# Altium PCB pcb-ash-power.PcbDoc (part 4 of 6) (continued)
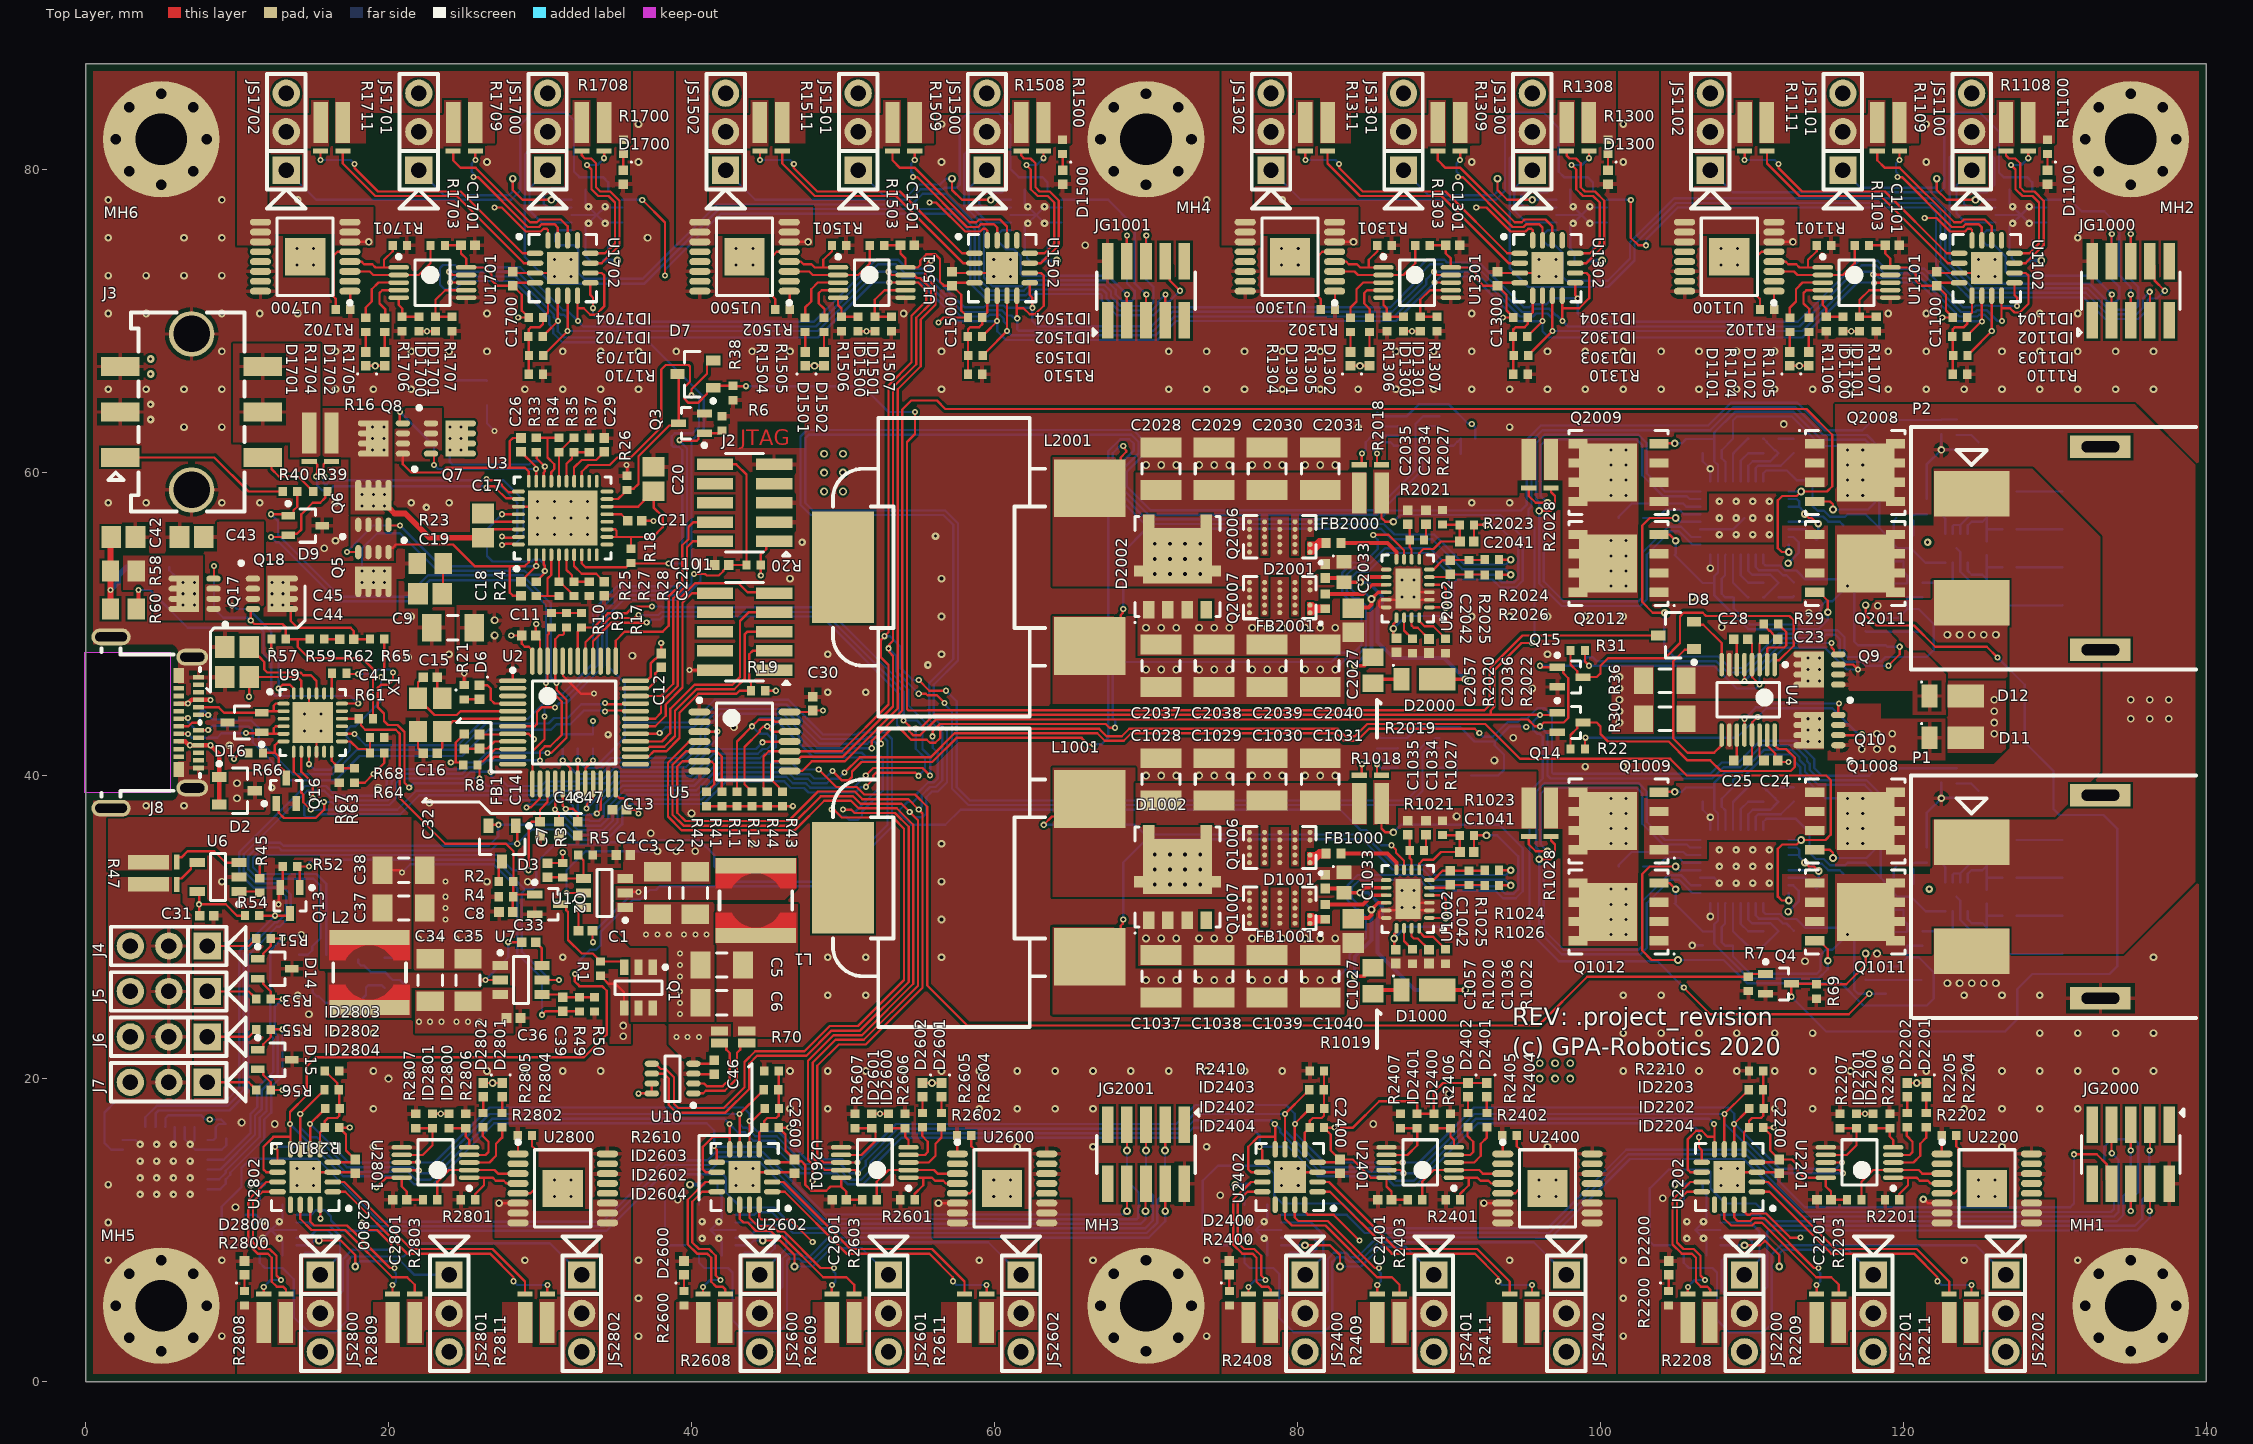
[diagram p0: Top Layer view]
## Nets (pads, with @x,y where several pads share a name; then routed paths per layer and width w, separated by ;. In a path a pad name is that pad's centre, name@x,y a point inside that pad or via, vN(x,y) a via of type N, cw(c..) or ccw(c..) an arc to the next point about the centre after c; other vN are vias at no path point) (continued)
  Top Layer w0.152: Q17.4@8.45,52.999 8.481,53.03 v2(8.481,53.823) ; Q18.4@11.088,50.963 Q18.4@11.05,51.001 11.022,51.001 10.908,50.887 v2(10.908,50.231) 11.139,50 13,50 13.225,49.775 R57.1@13.225,49 14,49 ; R59.1@14.8,49 14,49 ; R61.2@18.975,43.75 18.975,47.025 18.25,47.75 14.75,47.75 14,48.5 14,49
  Bottom Layer w0.152: v2(8.481,53.823) 8.481,51.019 9.088,50.412 10.692,50.412 10.872,50.231 v2(10.908,50.231)
NetR24_1: R24.1 R25.2 U3.4 | length 4.3
  Top Layer w0.152: R24.1@29.75,51.85 30.5,51.85 ; U3.4@30.75,54.575 30.75,53.25 30.5,53 30.5,51.85 ; R25.2@31.25,51.85 30.5,51.85
NetR25_1: R25.1 R27.2 U3.5 | length 3.2
  Top Layer w0.152: U3.5@31.25,54.575 R25.1@31.25,52.8 31.449,52.601 31.499,52.601 32.026,52.074 32.026,52.049 32.225,51.85 R27.2@32.25,51.85
NetR27_1: R27.1 R28.2 U3.6 | length 3
  Top Layer w0.152: U3.6@31.75,54.575 31.75,53.575 32.111,53.214 32.111,52.939 R27.1@32.25,52.8 R28.2@33.25,52.8
NetR29_2: R29.2 U4.2 | length 4
  Top Layer w0.152: U4.2@111,47.325 111,48.362 111.089,48.451 112.125,48.451 112.259,48.585 112.259,49.466 111.949,49.776 111.924,49.776 111.725,49.975 R29.2@111.725,50
NetR33_1: R33.1 R34.2 U3.25 | length 4.6
  Top Layer w0.152: R33.1@29.75,62.3 30.5,62.3 ; U3.25@30.75,59.425 30.75,60.038 30.945,60.233 30.945,60.555 30.5,61 30.5,62.3 ; R34.2@31.25,62.3 30.5,62.3
NetR34_1: R34.1 R35.2 U3.24 | length 3.3
  Top Layer w0.152: U3.24@31.25,59.425 R34.1@31.25,61.35 31.275,61.35 31.474,61.549 31.474,61.574 32.001,62.101 32.051,62.101 R35.2@32.25,62.3
NetR35_1: R35.1 R37.2 U3.23 | length 3.1
  Top Layer w0.152: U3.23@31.75,59.425 31.75,60.575 32.111,60.936 32.111,61.211 R35.1@32.25,61.35 R37.2@33.25,61.35
NetR45_1: R45.1 U6.1 | length 1.4
  Top Layer w0.152: U6.1@10.125,32.35 11.425,32.35 R45.1@11.5,32.275
NetR47_3: R47.3 U6.3 | length 4.8
  Top Layer w0.152: R47.3@6.024,34.285 6.024,34.501 6.123,34.599 6.338,34.599 6.739,35 8.5,35 9.25,34.25 U6.3@10.125,34.25
NetR47_4: R47.4 U6.4 | length 2.2
  Top Layer w0.152: R47.4@6.025,32.815 6.025,33.105 6.124,33.204 6.329,33.204 6.966,33.841 6.966,34.026 7.19,34.25 U6.4@7.375,34.25
NetR63_2: R63.2 R67.2 U9.12 | length 2.3
  Top Layer w0.152: U9.12@16.25,41.575 16.25,40.975 16.526,40.699 16.526,40.674 16.725,40.475 R67.2@16.75,40.475 R63.2@17.75,40.475
NetR64_2: R64.2 R68.2 U9.13 | length 3.2
  Top Layer w0.152: U9.13@16.925,42.25 17.5,42.25 18,41.75 18.525,41.75 18.551,41.724 18.576,41.724 R64.2@18.775,41.525 ; R64.2@18.775,41.5 R64.2@18.775,41.525 ; R68.2@18.775,42.5 R64.2@18.775,41.525
NetR65_1: R65.1 U9.19 | length 1.3
  Top Layer w0.152: U9.19@16.25,45.425 16.25,46.725 R65.1@16.275,46.75
NetR70_3: R70.3 U10.2 | length 5.5
  Top Layer w0.152: U10.2@40.125,19.675 40.825,19.675 41,19.5 42.069,19.5 42.52,19.951 42.52,21.68 42.289,21.911 42.289,22.126 42.066,22.35 R70.3@41.85,22.35
NetR70_4: R70.4 U10.1 | length 6
  Top Layer w0.152: U10.1@40.125,19.025 40.775,19.025 40.945,19.195 42.195,19.195 43,20 43,21.7 43.211,21.911 43.211,22.126 43.434,22.35 R70.4@43.65,22.35
NetR1000_1: R1000.1 R1001.2 U1000.8 | length 2.3
  Bottom Layer w0.152: U1000.8@89.375,40.525 90.05,40.525 90.301,40.776 90.326,40.776 R1001.2@90.525,40.975 ; R1000.1@90.525,40 R1001.2@90.525,40.975 ; R1001.2@90.525,41 R1001.2@90.525,40.975
NetR1031_1: R1031.1 R1032.2 U1004.4 | length 4.6
  Bottom Layer w0.152: U1004.4@108.75,36.425 R1031.1@108.75,38.275 ; R1031.1@108.75,38.275 109.7,39.225 R1032.2@109.75,39.225 108.8,38.275 R1031.1@108.75,38.275
NetR1032_1: R1032.1 R1034.2 U1004.5 | length 3.1
  Bottom Layer w0.152: U1004.5@109.25,36.425 109.25,37.775 R1032.1@109.75,38.275 R1034.2@110.75,38.275
NetR1034_1: R1034.1 R1037.2 U1004.6 | length 4.8
  Bottom Layer w0.152: U1004.6@109.75,36.425 109.75,37.45 110.05,37.75 111.225,37.75 111.625,38.15 R1037.2@111.75,38.275 111.725,38.275 111.526,38.474 111.526,38.499 110.999,39.026 110.949,39.026 R1034.1@110.75,39.225
NetR1045_1: R1045.1 R1046.2 U1004.25 | length 3.2
  Bottom Layer w0.152: U1004.25@108.75,31.575 R1045.1@108.75,29.725 109.7,28.775 R1046.2@109.75,28.775
NetR1046_1: R1046.1 R1048.2 U1004.24 | length 3.1
  Bottom Layer w0.152: U1004.24@109.25,31.575 109.25,30.225 R1046.1@109.75,29.725 R1048.2@110.75,29.725
NetR1048_1: R1048.1 R1050.2 U1004.23 | length 4.8
  Bottom Layer w0.152: U1004.23@109.75,31.575 109.75,30.5 110,30.25 111.225,30.25 R1050.2@111.75,29.725 110.8,28.775 R1048.1@110.75,28.775
NetR1101_2: R1101.2 U1100.4 U1101.1 | length 5.1
  Top Layer w0.152: U1100.4@111.45,73.925 112.213,73.925 112.388,73.75 112.925,73.75 113.135,73.54 113.725,73.54 ; R1101.2@114.275,75 114.275,74.615 113.7,74.04 113.7,73.565 113.725,73.54 ; U1101.1@114.675,73.54 113.725,73.54
NetR1102_2: R1102.2 U1100.5 | length 4.8
  Top Layer w0.152: R1102.2@110.525,70.75 110.525,71.462 110.382,71.605 110.382,74.325 110.632,74.575 U1100.5@111.45,74.575
NetR1103_2: R1103.2 U1100.3 U1101.2 | length 6.9
  Top Layer w0.152: U1100.3@111.45,73.275 112.765,73.275 113,73.04 U1101.2@114.675,73.04 116,73.04 116.775,73.815 R1103.2@116.775,75
NetR1104_2: R1104.2 U1101.3 | length 4
  Top Layer w0.152: R1104.2@112.5,70.225 112.5,70.9 112.9,71.3 112.9,72.1 113.34,72.54 U1101.3@114.675,72.54
NetR1105_2: R1105.2 U1101.4 | length 3.1
  Top Layer w0.152: R1105.2@113.75,70.225 113.775,70.25 113.775,70.79 113.4,71.165 113.4,71.85 113.59,72.04 U1101.4@114.675,72.04
NetR1301_2: R1301.2 U1300.4 U1301.1 | length 5.1
  Top Layer w0.152: U1300.4@82.45,73.925 83.213,73.925 83.388,73.75 83.925,73.75 84.135,73.54 84.725,73.54 ; R1301.2@85.275,75 85.275,74.615 84.7,74.04 84.7,73.565 84.725,73.54 ; U1301.1@85.675,73.54 84.725,73.54
NetR1302_2: R1302.2 U1300.5 | length 4.8
  Top Layer w0.152: R1302.2@81.525,70.75 81.525,71.462 81.382,71.605 81.382,74.325 81.632,74.575 U1300.5@82.45,74.575
NetR1303_2: R1303.2 U1300.3 U1301.2 | length 6.9
  Top Layer w0.152: U1300.3@82.45,73.275 83.765,73.275 84,73.04 U1301.2@85.675,73.04 87,73.04 87.775,73.815 R1303.2@87.775,75
NetR1304_2: R1304.2 U1301.3 | length 4
  Top Layer w0.152: R1304.2@83.5,70.225 83.5,70.9 83.9,71.3 83.9,72.1 84.34,72.54 U1301.3@85.675,72.54
NetR1305_2: R1305.2 U1301.4 | length 3.1
  Top Layer w0.152: R1305.2@84.75,70.225 84.775,70.25 84.775,70.79 84.4,71.165 84.4,71.85 84.59,72.04 U1301.4@85.675,72.04
NetR1501_2: R1501.2 U1500.4 U1501.1 | length 5.1
  Top Layer w0.152: U1500.4@46.45,73.925 47.213,73.925 47.388,73.75 47.925,73.75 48.135,73.54 48.725,73.54 ; R1501.2@49.275,75 49.275,74.615 48.7,74.04 48.7,73.565 48.725,73.54 ; U1501.1@49.675,73.54 48.725,73.54
NetR1502_2: R1502.2 U1500.5 | length 4.8
  Top Layer w0.152: R1502.2@45.525,70.75 45.525,71.462 45.382,71.605 45.382,74.325 45.632,74.575 U1500.5@46.45,74.575
NetR1503_2: R1503.2 U1500.3 U1501.2 | length 6.9
  Top Layer w0.152: U1500.3@46.45,73.275 47.765,73.275 48,73.04 U1501.2@49.675,73.04 51,73.04 51.775,73.815 R1503.2@51.775,75
NetR1504_2: R1504.2 U1501.3 | length 4
  Top Layer w0.152: R1504.2@47.5,70.225 47.5,70.9 47.9,71.3 47.9,72.1 48.34,72.54 U1501.3@49.675,72.54
NetR1505_2: R1505.2 U1501.4 | length 3.1
  Top Layer w0.152: R1505.2@48.75,70.225 48.775,70.25 48.775,70.79 48.4,71.165 48.4,71.85 48.59,72.04 U1501.4@49.675,72.04
NetR1701_2: R1701.2 U1700.4 U1701.1 | length 5.1
  Top Layer w0.152: U1700.4@17.45,73.925 18.213,73.925 18.388,73.75 18.925,73.75 19.135,73.54 19.725,73.54 ; R1701.2@20.275,75 20.275,74.615 19.7,74.04 19.7,73.565 19.725,73.54 ; U1701.1@20.675,73.54 19.725,73.54
NetR1702_2: R1702.2 U1700.5 | length 4.8
  Top Layer w0.152: R1702.2@16.525,70.75 16.525,71.462 16.382,71.605 16.382,74.325 16.632,74.575 U1700.5@17.45,74.575
NetR1703_2: R1703.2 U1700.3 U1701.2 | length 6.9
  Top Layer w0.152: U1700.3@17.45,73.275 18.765,73.275 19,73.04 U1701.2@20.675,73.04 22,73.04 22.775,73.815 R1703.2@22.775,75
NetR1704_2: R1704.2 U1701.3 | length 4
  Top Layer w0.152: R1704.2@18.5,70.225 18.5,70.9 18.9,71.3 18.9,72.1 19.34,72.54 U1701.3@20.675,72.54
NetR1705_2: R1705.2 U1701.4 | length 3.1
  Top Layer w0.152: R1705.2@19.75,70.225 19.775,70.25 19.775,70.79 19.4,71.165 19.4,71.85 19.59,72.04 U1701.4@20.675,72.04
NetR2000_1: R2000.1 R2001.2 U2000.8 | length 2.6
  Bottom Layer w0.152: U2000.8@89.375,61.775 90.3,61.775 90.551,62.026 90.576,62.026 R2000.1@90.775,62.225 ; R2001.2@90.775,61.25 R2000.1@90.775,62.225 ; R2000.1@90.775,62.25 R2000.1@90.775,62.225
NetR2031_1: R2031.1 R2032.2 U2004.4 | length 4.6
  Bottom Layer w0.152: U2004.4@108.75,59.425 R2031.1@108.75,61.275 ; R2031.1@108.75,61.275 108.8,61.275 R2032.2@109.75,62.225 109.7,62.225 R2031.1@108.75,61.275
NetR2032_1: R2032.1 R2034.2 U2004.5 | length 3.1
  Bottom Layer w0.152: U2004.5@109.25,59.425 109.25,60.775 R2032.1@109.75,61.275 R2034.2@110.75,61.275
NetR2034_1: R2034.1 R2037.2 U2004.6 | length 4.8
  Bottom Layer w0.152: U2004.6@109.75,59.425 109.75,60.45 110.05,60.75 111.225,60.75 111.625,61.15 R2037.2@111.75,61.275 111.551,61.474 111.501,61.474 110.974,62.001 110.974,62.026 110.775,62.225 R2034.1@110.75,62.225
NetR2045_1: R2045.1 R2046.2 U2004.25 | length 3.2
  Bottom Layer w0.152: U2004.25@108.75,54.575 R2045.1@108.75,52.725 109.7,51.775 R2046.2@109.75,51.775
NetR2046_1: R2046.1 R2048.2 U2004.24 | length 3.1
  Bottom Layer w0.152: U2004.24@109.25,54.575 109.25,53.225 R2046.1@109.75,52.725 R2048.2@110.75,52.725
NetR2048_1: R2048.1 R2050.2 U2004.23 | length 4.8
  Bottom Layer w0.152: U2004.23@109.75,54.575 109.75,53.5 110,53.25 111.225,53.25 R2050.2@111.75,52.725 110.8,51.775 R2048.1@110.75,51.775
NetR2201_2: R2201.2 U2200.4 U2201.1 | length 5.1
  Top Layer w0.152: U2201.1@119.325,13.46 120.275,13.46 ; R2201.2@119.725,12 119.725,12.385 120.3,12.96 120.3,13.435 120.275,13.46 ; U2200.4@122.55,13.075 121.787,13.075 121.612,13.25 121.075,13.25 120.865,13.46 120.275,13.46
NetR2202_2: R2202.2 U2200.5 | length 4.8
  Top Layer w0.152: U2200.5@122.55,12.425 123.368,12.425 123.618,12.675 123.618,15.395 123.475,15.538 R2202.2@123.475,16.25
NetR2203_2: R2203.2 U2200.3 U2201.2 | length 6.9
  Top Layer w0.152: R2203.2@117.225,12 117.225,13.185 118,13.96 U2201.2@119.325,13.96 121,13.96 121.235,13.725 U2200.3@122.55,13.725
NetR2204_2: R2204.2 U2201.3 | length 4
  Top Layer w0.152: U2201.3@119.325,14.46 120.66,14.46 121.1,14.9 121.1,15.7 121.5,16.1 R2204.2@121.5,16.775
NetR2205_2: R2205.2 U2201.4 | length 3.1
  Top Layer w0.152: U2201.4@119.325,14.96 120.41,14.96 120.6,15.15 120.6,15.835 120.225,16.21 120.225,16.75 R2205.2@120.25,16.775
NetR2401_2: R2401.2 U2400.4 U2401.1 | length 5.1
  Top Layer w0.152: U2401.1@90.325,13.46 91.275,13.46 ; R2401.2@90.725,12 90.725,12.385 91.3,12.96 91.3,13.435 91.275,13.46 ; U2400.4@93.55,13.075 92.787,13.075 92.612,13.25 92.075,13.25 91.865,13.46 91.275,13.46
NetR2402_2: R2402.2 U2400.5 | length 4.8
  Top Layer w0.152: U2400.5@93.55,12.425 94.368,12.425 94.618,12.675 94.618,15.395 94.475,15.538 R2402.2@94.475,16.25
NetR2403_2: R2403.2 U2400.3 U2401.2 | length 6.9
  Top Layer w0.152: R2403.2@88.225,12 88.225,13.185 89,13.96 U2401.2@90.325,13.96 92,13.96 92.235,13.725 U2400.3@93.55,13.725
NetR2404_2: R2404.2 U2401.3 | length 4
  Top Layer w0.152: U2401.3@90.325,14.46 91.66,14.46 92.1,14.9 92.1,15.7 92.5,16.1 R2404.2@92.5,16.775
NetR2405_2: R2405.2 U2401.4 | length 3.1
  Top Layer w0.152: U2401.4@90.325,14.96 91.41,14.96 91.6,15.15 91.6,15.835 91.225,16.21 91.225,16.75 R2405.2@91.25,16.775
NetR2601_2: R2601.2 U2600.4 U2601.1 | length 5.1
  Top Layer w0.152: U2601.1@54.325,13.46 55.275,13.46 ; R2601.2@54.725,12 54.725,12.385 55.3,12.96 55.3,13.435 55.275,13.46 ; U2600.4@57.55,13.075 56.787,13.075 56.612,13.25 56.075,13.25 55.865,13.46 55.275,13.46
NetR2602_2: R2602.2 U2600.5 | length 4.8
  Top Layer w0.152: U2600.5@57.55,12.425 58.368,12.425 58.618,12.675 58.618,15.395 58.475,15.538 R2602.2@58.475,16.25
NetR2603_2: R2603.2 U2600.3 U2601.2 | length 6.9
  Top Layer w0.152: R2603.2@52.225,12 52.225,13.185 53,13.96 U2601.2@54.325,13.96 56,13.96 56.235,13.725 U2600.3@57.55,13.725
NetR2604_2: R2604.2 U2601.3 | length 4
  Top Layer w0.152: U2601.3@54.325,14.46 55.66,14.46 56.1,14.9 56.1,15.7 56.5,16.1 R2604.2@56.5,16.775
NetR2605_2: R2605.2 U2601.4 | length 3.1
  Top Layer w0.152: U2601.4@54.325,14.96 55.41,14.96 55.6,15.15 55.6,15.835 55.225,16.21 55.225,16.75 R2605.2@55.25,16.775
NetR2801_2: R2801.2 U2800.4 U2801.1 | length 5.1
  Top Layer w0.152: U2801.1@25.325,13.46 26.275,13.46 ; R2801.2@25.725,12 25.725,12.385 26.3,12.96 26.3,13.435 26.275,13.46 ; U2800.4@28.55,13.075 27.787,13.075 27.612,13.25 27.075,13.25 26.865,13.46 26.275,13.46
NetR2802_2: R2802.2 U2800.5 | length 4.8
  Top Layer w0.152: U2800.5@28.55,12.425 29.368,12.425 29.618,12.675 29.618,15.395 29.475,15.538 R2802.2@29.475,16.25
NetR2803_2: R2803.2 U2800.3 U2801.2 | length 6.9
  Top Layer w0.152: R2803.2@23.225,12 23.225,13.185 24,13.96 U2801.2@25.325,13.96 27,13.96 27.235,13.725 U2800.3@28.55,13.725
NetR2804_2: R2804.2 U2801.3 | length 4
  Top Layer w0.152: U2801.3@25.325,14.46 26.66,14.46 27.1,14.9 27.1,15.7 27.5,16.1 R2804.2@27.5,16.775
NetR2805_2: R2805.2 U2801.4 | length 3.1
  Top Layer w0.152: U2801.4@25.325,14.96 26.41,14.96 26.6,15.15 26.6,15.835 26.225,16.21 26.225,16.75 R2805.2@26.25,16.775
NRST: C10.2 J2.10 R20.2 U2.7 | length 31.1
  Top Layer w0.152: U2.7@28.2,43.25 29.65,43.25 29.8,43.4 29.8,44.2 30.1,44.5 v2(31,44.5) ; v2(40.168,53.3) 40.9,53.3 41,53.2 41.803,53.2 42.089,53.485 42.089,53.529 C10.2@42.46,53.9 R20.2@43.625,53.9 43.625,59.875 42.96,60.54 J2.10@41.55,60.54
  Bottom Layer w0.152: v2(31,44.5) 31.29,44.79 31.753,44.79 34.11,47.147 34.11,50.647 35.357,51.895 39.226,51.895 40.005,52.674 40.005,53.084 40.168,53.247 v2(40.168,53.3)
R_I2C.SCL: ID2202.2 ID2402.2 ID2602.2 ID2802.2 R42.1 U5.6 U2000.5 U2201.8 U2202.6 U2401.8 U2402.6 U2601.8 U2602.6 U2801.8 U2802.6 | length 271.8
  Top Layer w0.152: U2802.6@14.825,15.325 v8(14.825,17.01) 15.601,17.786 15.626,17.786 15.825,17.985 ID2802.2@15.825,18.01 ; U2801.8@20.875,14.46 20.889,14.474 21.933,14.474 v2(21.947,14.488) ; R42.1@41,38.925 41.025,38.925 41.224,39.124 41.224,39.149 41.5,39.425 41.5,40.75 41.331,40.919 40.556,40.919 U5.6@40.525,40.95 39.412,40.95 39.055,40.593 39.055,37.545 39.6,37 46.4,37 48.345,38.945 50.778,38.945 51.278,38.445 54.305,38.445 v2(55,37.75) 55.25,37.5 55.25,26 51.5,22.25 49.716,22.25 48.305,20.839 48.305,14.876 48.721,14.46 U2601.8@49.875,14.46 v2(50.95,14.46) ; U2602.6@43.825,15.325 v8@43.825,17.01 ; v8@43.912,17.097 44.601,17.786 44.626,17.786 44.825,17.985 ID2602.2@44.825,18.01 ; U2402.6@79.825,15.325 v8(79.825,17.01) 80.601,17.786 80.626,17.786 80.825,17.985 ID2402.2@80.825,18.01 ; U2401.8@85.875,14.46 v2(86.95,14.46) ; U2202.6@108.825,15.325 v8(108.825,17.01) 109.601,17.786 109.626,17.786 109.825,17.985 ID2202.2@109.825,18.01 ; U2201.8@114.875,14.46 v2(115.95,14.46)
  Bottom Layer w0.152: v8(14.825,17.01) 17.375,14.46 21.919,14.46 v2(21.947,14.488) ; v2@21.95,14.46 23.029,14.46 26.658,18.089 43.411,18.089 43.825,17.675 v8(43.825,17.185) 43.825,17.01 44.335,16.5 45.75,16.5 47.586,14.664 49.968,14.664 50.172,14.46 v2(50.95,14.46) 53.49,17 72,17 73.25,18.25 79.25,18.25 79.825,17.675 v8(79.825,17.01) 79.825,16.425 81.79,14.46 v2(86.95,14.46) 88.029,14.46 91.658,18.089 108.411,18.089 108.825,17.675 v8(108.825,17.01) 108.852,17.01 111.807,14.055 115.545,14.055 v2(115.95,14.46) ; v2(55,37.75) 55,37.771 55.195,37.966 55.195,38.695 55.75,39.25 56.126,39.25 56.555,39.679 56.555,42.818 55.686,43.686 55.686,46.117 57.284,47.716 57.284,56.534 56.624,57.195 47.874,57.195 47.195,57.874 47.195,62.376 47.629,62.81 69.153,62.81 69.81,62.153 69.81,61.129 68.719,60.038 68.719,59.094 70.294,57.519 85.157,57.519 87.79,60.152 87.79,63.21 88.306,63.725 U2000.5@89.375,63.725
R_I2C.SDA: ID2203.2 ID2403.2 ID2603.2 ID2803.2 R41.1 U5.5 U2000.6 U2201.9 U2202.7 U2401.9 U2402.7 U2601.9 U2602.7 U2801.9 U2802.7 | length 283.1
  Top Layer w0.152: U2802.7@14.175,15.325 v8(14.175,17.66) 15.551,19.036 15.576,19.036 15.775,19.235 ID2803.2@15.775,19.26 ; U2801.9@20.875,13.96 20.889,13.946 21.986,13.946 v2(22,13.932) ; R41.1@42,38.925 42,41.25 41.65,41.6 U5.5@40.525,41.6 39.631,41.6 38.75,40.719 38.75,37.419 39.474,36.695 46.526,36.695 46.536,36.705 46.605,36.705 48.54,38.64 50.651,38.64 51.151,38.14 53.86,38.14 v2(54.402,37.598) 54.945,37.055 54.945,26.126 51.374,22.555 49.5,22.555 48,21.055 48,14.75 48.79,13.96 U2601.9@49.875,13.96 50.784,13.96 50.994,13.75 v2(51,13.75) ; U2602.7@43.175,15.325 v8(43.175,17.66) 44.551,19.036 44.576,19.036 44.775,19.235 ID2603.2@44.775,19.26 ; U2402.7@79.175,15.325 v8(79.175,17.66) 80.551,19.036 80.576,19.036 80.775,19.235 ID2403.2@80.775,19.26 ; U2401.9@85.875,13.96 86.784,13.96 86.994,13.75 v2(87,13.75) ; U2202.7@108.175,15.325 v8(108.175,17.66) 109.551,19.036 109.576,19.036 109.775,19.235 ID2203.2@109.775,19.26 ; U2201.9@114.875,13.96 115.784,13.96 115.994,13.75 v2(116,13.75)
  Bottom Layer w0.152: v8(14.175,17.66) 14.175,16.775 14.825,16.125 15.279,16.125 17.249,14.155 21.595,14.155 v2@21.909,13.841 ; v2(22,13.932) v2@21.909,13.841 ; v2(54.402,37.598) 54.75,37.25 55.25,37.25 55.5,37.5 55.5,38.569 55.876,38.945 56.253,38.945 56.86,39.552 56.86,42.944 55.991,43.813 55.991,45.991 57.589,47.589 57.589,56.661 56.75,57.5 48,57.5 47.5,58 47.5,62.25 47.755,62.505 69.026,62.505 69.505,62.026 69.505,61.255 68.414,60.164 68.414,58.968 70.168,57.214 85.283,57.214 88.25,60.181 88.25,62.75 88.575,63.075 U2000.6@89.375,63.075 ; v2(116,13.75) 111.681,13.75 109.626,15.805 109.424,15.805 108.175,17.054 v8(108.175,17.66) 91.66,17.66 87.75,13.75 v2(87,13.75) 86.5,13.75 86.095,14.155 81.595,14.155 79.175,16.575 v8(79.175,17.66) 73.16,17.66 72.25,16.75 72.181,16.75 72.126,16.695 53.616,16.695 51.5,14.579 51.5,14.25 v2(51,13.75) 50.451,13.75 49.842,14.36 47.459,14.36 45.624,16.195 44.209,16.195 43.648,16.756 43.411,16.756 43.175,16.992 v8(43.175,17.66) 26.66,17.66 22.75,13.75 22,13.75 v2@21.909,13.841
REG1_ISENS: C48.2 R73.2 R74.2 U2.16 | length 107.7
  Top Layer w0.152: U2.16@31,39.45 v2(31,37.75) 31.25,37.5 C48.2@31.25,36.96 ; v2(50.1,40.2) 51.1,41.2 55.769,41.2 57.359,42.79 66.779,42.79 67.274,42.295 68.526,42.295 69.021,42.79 82.551,42.79 83.047,42.295 83.926,42.295 84.726,43.095 91.705,43.095 v2(92,42.8)
  Bottom Layer w0.152: v2(31,37.75) 31.45,37.3 31.6,37.3 32.51,36.39 34.153,36.39 34.81,37.047 34.81,37.816 35.719,38.726 40.45,38.726 41.95,40.226 46.374,40.226 46.809,39.79 47.679,39.79 47.974,39.495 48.926,39.495 49.216,39.784 49.684,39.784 v2(50.1,40.2) ; v2(92,42.8) 92.245,42.555 92.892,42.555 93.874,43.537 94.537,43.537 94.75,43.75 95.139,43.75 95.826,44.437 96.313,44.437 96.805,43.945 96.805,40.199 96.894,40.11 107.247,40.11 107.997,40.86 109.098,40.86 110.543,42.305 112.899,42.305 114.11,41.094 114.11,40.503 114.619,39.993 117.743,39.993 118.225,40.475 R73.2@122.5,40.475 123.5,40.475 R74.2@123.525,40.5
REG2_ISENS: C47.2 R71.2 R72.2 U2.17 | length 131.6
  Top Layer w0.152: U2.17@31.5,39.45 31.5,38.016 31.7,37.816 v2(31.7,37.8) 32.2,37.8 32.5,37.5 C47.2@32.5,36.96 ; v2(49.3,40.3) 49.9,39.7 50.4,39.7 50.6,39.9 50.6,40.269 51.226,40.895 55.895,40.895 57.486,42.486 65.75,42.486 66.161,42.075 66.53,42.075 v2(66.544,42.061)
  Bottom Layer w0.152: v2(31.7,37.8) 31.7,37.759 31.875,37.584 31.875,37.456 32.636,36.695 34.026,36.695 34.505,37.174 34.505,37.943 35.593,39.031 40.324,39.031 41.824,40.531 46.5,40.531 46.936,40.095 47.805,40.095 48.1,39.8 48.8,39.8 v2(49.3,40.3) ; v2(66.544,42.061) 66.558,42.075 67.075,42.075 67.5,42.5 67.5,61.4 68.3,62.2 68.9,62.2 69.2,61.9 69.2,61.45 68.11,60.36 68.11,58.842 70.042,56.91 85.41,56.91 86,57.5 94.75,57.5 95.14,57.89 95.14,62.184 96.062,63.105 107.112,63.105 108.621,64.614 112.998,64.614 114.828,62.785 117.285,62.785 117.975,63.475 R71.2@122.5,63.475 122.525,63.5 R72.2@123.525,63.5
REG_PG: R17.1 U2.42 U1002.9 U2002.9 | length 119.4
  Top Layer w0.152: U2.42@32.5,47.55 32.5,49.487 32.526,49.513 32.526,49.576 32.725,49.775 R17.1@32.75,49.775 33.544,49.775 34.474,50.705 35.705,50.705 36.159,51.159 v2(37.4,51.159) ; v2(55.917,42.591) 55.917,42.917 56.4,43.4 67.35,43.4 67.594,43.156 v2(67.965,43.156) ; v2(85.002,55.868) 85.034,55.9 86,55.9 87.03,54.87 U2002.9@87.03,54.275 ; v2(86.2,35.4) 86.5,35.1 86.5,34.9 87.03,34.37 U1002.9@87.03,33.775
  Bottom Layer w0.152: v2(37.4,51.159) 38.041,51.159 38.095,51.105 48.857,51.105 48.947,51.016 54.305,45.657 54.305,44.637 55.917,43.025 v2(55.917,42.591) 55.917,41.833 56.25,41.5 56.25,39.805 56,39.555 55.624,39.555 54.89,38.821 54.89,38.5 54.64,38.25 54.25,38.25 53.75,37.75 53.75,37.5 54.5,36.75 56.75,36.75 57.75,37.75 82.823,37.75 84.164,36.41 84.521,36.41 85.531,35.4 v2(86.2,35.4) ; v2(67.965,43.156) 67.965,43.64 67.805,43.8 67.805,46.805 68.5,47.5 82.25,47.5 82.85,48.1 83.699,48.1 84.222,48.623 84.222,51.077 83.909,51.39 83.604,51.39 82.945,52.049 82.945,53.376 83.629,54.06 84.405,54.06 85.3,54.955 85.3,55.57 v2(85.002,55.868)
REG_VIN_L: C1057.1 R1018.2 R1028.2 U1002.17 | length 27.9
  Top Layer w0.152: R1018.2@85.55,38.15 85.55,36.5 85.8,36.25 v6(86.33,36.25) ; C1057.1@86.48,28.51 86.53,28.56 86.38,28.71 v6(86.38,29.25) 86.38,29.55 86.53,29.7 U1002.17@86.53,29.925
  Bottom Layer w0.152: v6(86.33,36.25) 86.83,36.75 93.33,36.75 94.867,35.213 94.867,32.367 94.4,31.9 93.569,31.9 93.074,32.395 90.295,32.395 90.085,32.185 90.085,31.015 90.3,30.8 90.3,30.327 90,30.027 87.157,30.027 v6(86.38,29.25)
REG_VIN_R: C2057.1 R2018.2 R2028.2 U2002.17 | length 27.6
  Top Layer w0.152: R2018.2@85.55,58.65 85.55,57 85.8,56.75 v6(86.33,56.75) ; C2057.1@86.53,49.06 86.33,49.26 v6(86.33,49.7) 86.33,50 86.53,50.2 U2002.17@86.53,50.425
  Bottom Layer w0.152: v6(86.33,49.7) 87.157,50.527 89.9,50.527 90.3,50.927 90.3,52.7 90.545,52.945 92.874,52.945 93.419,52.4 94.4,52.4 94.867,52.867 94.867,55.713 93.385,57.195 86.775,57.195 v6(86.33,56.75)
RS_HI1: Q9.5 Q9.6 Q9.7 Q9.8 Q9.9 R30.1 U4.10
  other v5: 113.7,42.25 114.45,42.25 113.7,43 114.45,43 113.7,43.75 114.45,43.75
RS_HI2: Q10.5 Q10.6 Q10.7 Q10.8 Q10.9 R36.1 U4.7
  other v5: 113.7,46.25 114.45,46.25 113.7,47 114.45,47 113.7,47.75 114.45,47.75
RX_CAR_TX: J1.9 U2.31 | length 16.8
  Top Layer w0.152: U2.31@36.3,43.75 37.6,43.75 37.99,44.14 37.99,44.821 39.1,45.931 39.1,51.569 40.231,52.7 43.1,52.7 43.7,52.1 45.39,52.1 J1.9@45.45,52.04
S0_LEG_L: JG1000.3 U1103.2 | length 13.7
  Top Layer w0.152: JG1000.3@133.73,70.05 133.73,71.73 v2(133.75,71.75)
  Bottom Layer w0.152: U1103.2@126.075,76 125.5,76 125.25,75.75 125.25,75.25 125.5,75 126,75 126.741,74.259 126.741,73.259 127,73 132.5,73 v2(133.75,71.75)
S0_LEG_R: JG2000.3 U2203.2 | length 34.7
  Top Layer w0.152: v2(136.25,15.25) 136.27,15.27 JG2000.3@136.27,16.95
  Bottom Layer w0.152: U2203.2@107.925,11 110.5,11 111.219,10.281 135.281,10.281 135.75,10.75 135.75,12 136.222,12.472 136.222,15.222 v2(136.25,15.25)
S1_LEG_L: JG1000.4 U1103.5 | length 35.5
  Top Layer w0.152: JG1000.4@133.73,73.95 133.73,75.73 v2(133.75,75.75)
  Bottom Layer w0.152: U1103.5@126.075,77.5 124.25,77.5 124,77.75 124,78.25 124.25,78.5 125.5,78.5 126,79 126,80.75 125.5,81.25 123.5,81.25 123.055,80.805 123.055,74.126 124.71,72.471 132.279,72.471 133.5,71.25 134,71.25 134.25,71.5 134.25,72.25 133.75,72.75 v2(133.75,75.75)
S1_LEG_R: JG2000.4 U2203.5 | length 42
  Top Layer w0.152: v2(136.25,11.25) 136.27,11.27 JG2000.4@136.27,13.05
  Bottom Layer w0.152: U2203.5@107.925,9.5 109.75,9.5 110,9.25 110,8.5 109.75,8.25 108.25,8.25 108,8 108,6 108.25,5.75 110.5,5.75 111,6.25 111,9.887 111.089,9.976 135.407,9.976 136.249,10.818 v2@136.249,11.249
S2_LEG_L: JG1000.5 U1103.9 | length 12.1
  Top Layer w0.152: JG1000.5@135,70.05 v2(135,71.75)
  Bottom Layer w0.152: U1103.9@129.425,78 131,78 131.75,77.25 133.25,77.25 134.25,76.25 134.25,73 135,72.25 v2(135,71.75)
S2_LEG_R: JG2000.5 U2203.9 | length 45.1
  Top Layer w0.152: v2(135,15.25) JG2000.5@135,16.95
  Bottom Layer w0.152: U2203.9@104.575,9 103.5,9 103.25,9.25 103.25,12.75 104.5,14 107.1,14 107.259,13.841 107.259,12.741 108.25,11.75 110.25,11.75 111.414,10.586 134,10.586 134.086,10.586 134.5,11 134.5,12.25 135,12.75 v2(135,15.25)
S3_LEG_L: JG1000.6 U1303.2 | length 57.5
  Top Layer w0.152: JG1000.6@135,73.95 v2(135,75.75)
  Bottom Layer w0.152: U1303.2@97.075,76 96.5,76 96.25,75.75 96.25,75.25 96.5,75 97,75 97.529,74.471 97.529,72.888 97.757,72.66 100.479,72.66 101.945,74.126 101.945,75.195 104.45,77.7 104.85,78.1 122.062,78.1 122.75,77.412 122.75,74 124.583,72.167 132.152,72.167 133.569,70.75 135.25,70.75 135.5,71 135.5,72.25 135,72.75 v2(135,75.75)
S3_LEG_R: JG2000.6 U2403.2 | length 72.7
  Top Layer w0.152: v2(135,11.25) JG2000.6@135,13.05
  Bottom Layer w0.152: U2403.2@78.925,11 83.25,11 84.445,9.805 85.112,9.805 85.121,9.814 95.838,9.814 95.847,9.805 96.624,9.805 101.819,15 109.569,15 113.374,11.195 133.695,11.195 133.89,11.39 133.89,13.86 133.25,14.5 133.25,15.5 133.75,16 135.25,16 135.5,15.75 135.5,12.5 135,12 v2(135,11.25)
S4_LEG_L: JG1000.7 U1303.5 | length 71.3
  Top Layer w0.152: v2(136.25,71.932) 136.27,71.912 JG1000.7@136.27,70.05
  Bottom Layer w0.152: U1303.5@97.075,77.5 95,77.5 94.75,77.75 94.75,78.25 95,78.5 96.5,78.5 96.75,78.75 96.75,81 96.5,81.25 94.5,81.25 94.005,80.755 94.005,76.755 94,76.75 94,73.5 95.25,72.25 100.5,72.25 102.25,74 102.25,75.069 104.976,77.795 121.936,77.795 122.445,77.286 122.445,73.874 124.457,71.862 132.026,71.862 133.443,70.445 135.376,70.445 135.805,70.874 135.805,71.487 v2(136.25,71.932)
S4_LEG_R: JG2000.7 U2403.5 | length 75.3
  Top Layer w0.152: JG2000.7@133.73,16.95 133.73,15.088 v2(133.75,15.068)
  Bottom Layer w0.152: U2403.5@78.925,9.5 81,9.5 81.25,9.25 81.25,8.75 81,8.5 79.5,8.5 79.25,8.25 79.25,6 79.5,5.75 81.75,5.75 81.995,5.995 81.995,8.095 82.4,8.5 83.231,8.5 83.521,8.21 83.947,8.21 85.247,9.51 95.711,9.51 95.721,9.5 96.75,9.5 101.945,14.695 109.443,14.695 113.247,10.89 133.89,10.89 134.195,11.195 134.195,14.623 v2(133.75,15.068)
S5_LEG_L: JG1000.8 U1303.9 | length 49.3
  Top Layer w0.152: v2(102,78) 102,75.5 102.5,75 v2(103,75) ; JG1000.8@136.27,73.95 136.574,73.646 136.574,72.676 v2(137.25,72)
  Bottom Layer w0.152: U1303.9@100.425,78 100.5,78 v2(102,78) ; v2(103,75) 103,75.388 105.102,77.49 121.81,77.49 122.14,77.16 122.14,73.747 122.569,73.319 123.819,72.069 124.331,71.557 131.9,71.557 132.978,70.478 133.316,70.14 135.503,70.14 136.11,70.748 136.11,71.36 136.236,71.487 136.737,71.487 v2(137.25,72)